# KiCad board st251_21020.kicad_pcb (continued)
## Routing (per net, layer and track width the routed paths; a pad name or vN(x,y) marks a point on that pad's centre or on a via; arc(x,y) is an arc through that point) (continued)
~{STEP}: length 117.4
  Top w0.254: v1(58.55,41.53) 56.26,41.53 54.74,40.01 48.39,40.01 v1(47.12,41.28) ; 2B1.33 34.54,34.54 35.18,33.91 v1(40.26,33.91)
  Bottom w0.254: J1.24 75.44,8.13 78.49,11.18 78.49,12.45 77.09,13.84 77.09,24.89 77.71,25.51 77.71,26.42 76.96,27.16 76.96,32.77 79.25,35.05 79.25,36.7 78.49,37.47 78.49,41.53 77.6,42.42 77.09,42.42 67.18,52.32 64.39,52.32 60.83,55.88 60.45,55.88 60.45,53.59 58.55,51.69 v1(58.55,41.53) ; v1(40.26,33.91) 41.27,32.89 44.96,32.89 47.12,35.05 v1(47.12,41.28)
~{WRT_FAULT}: length 61.1
  Top w0.254: v1(72.52,23.88) 73.03,23.88 74.42,22.48 1E1.4 ; 2B1.3 40,24.26 v1(41.02,23.24) 41.66,22.61 44.2,22.61 48.51,26.92 48.51,27.94 49.4,28.83 50.04,28.83 58.55,37.34 68.07,37.34 v1(68.45,36.96)
  Bottom w0.254: R19.1 74.8,19.18 72.52,21.46 v1(72.52,23.88) 72.52,31.62 68.45,35.69 v1(68.45,36.96)
Net-(1D1-Pad12): length 20
  Top w0.254: 1E1.5 73.15,21.39 72.26,20.51 72.26,20.32 ; 72.26,20.32 72.26,19.69 74.42,17.53 1E1.11 ; 72.26,20.32 71.25,20.32 70.36,19.43 65.53,19.43 64.9,20.07 63.37,20.07 v1(62.36,19.05) 62.48,19.05 63.75,17.78 1D1.12
Net-(1E1-Pad1): length 12.2
  Top w0.254: 78.23,20.32 77.85,20.32 75.69,18.16 1E1.12 ; 78.23,20.32 1E1.1 ; 78.23,20.32 79.88,20.32 v1(80.52,19.69)
  Bottom w0.254: R59.1 81.66,22.16 81.66,21.08 80.52,19.94 v1(80.52,19.69)
Net-(1E1-Pad6): length 190.5
  Top w0.254: 1E1.6 71.88,22.86 70.99,23.75 70.1,23.75 v1(70.1,23.88) ; v1(85.92,61.91) 85.72,61.72 85.72,49.02 83.19,46.48 69.34,46.48 66.55,43.69 v1(66.55,43.56) ; R78.2 83.31,163.26 83.31,156.46 88.39,151.38 88.39,148.72 89.53,147.57 89.53,146.3 89.28,146.05 87.76,146.05 87.5,146.3 v1(86.49,146.3)
  Bottom w0.254: v1(66.55,43.56) 66.17,43.18 66.17,40.51 66.68,40.01 66.68,36.07 66.93,35.81 66.93,34.29 66.55,33.91 66.55,28.83 67.44,27.94 68.45,27.94 70.1,26.29 v1(70.1,23.88) ; v1(86.49,146.3) 84.58,144.4 84.58,141.99 83.31,140.72 83.31,135 78.23,129.92 78.23,117.6 68.33,107.7 68.33,101.98 65.53,99.19 65.53,94.87 66.04,94.36 76.2,94.36 85.85,84.71 85.85,61.98 v1(85.92,61.91)
Net-(1F1A-D): length 144.1
  Top w0.254: 98.55,23.24 1F1.2 ; 98.55,23.24 98.55,23.75 97.54,24.77 95,24.77 93.47,23.24 93.47,21.89 ; 98.55,23.24 101.09,23.24 102.11,22.23 v1(103.76,22.23) ; v1(87,60.83) 87.5,60.83 88.39,59.94 88.39,52.83 v1(88.9,52.32) ; v1(87,92.33) 89.15,92.33 89.53,91.95 102.49,91.95 103.12,92.58 105.28,92.58 106.55,93.85 111.12,93.85 111.89,94.62 111.89,97.28 112.65,98.04 115.95,98.04 118.75,100.84 118.75,102.74 122.05,106.05 128.27,106.05 128.97,105.35 R74.2
  Bottom w0.254: v1(103.76,22.23) 97.92,28.07 97.92,43.31 v1(88.9,52.32) ; v1(87,60.83) v1(87,92.33)
Net-(1F1A-~{S}): length 12.4
  Top w0.254: 1F1.4 96.01,23.37 v1(95.63,23.75) ; R73.1 99.31,24.51 98.3,25.53 94.23,25.53 v1(93.47,24.77)
  Bottom w0.254: v1(93.47,24.77) 94.49,23.75 v1(95.63,23.75)
Net-(1F1B-C): length 98.7
  Top w0.254: v1(79.63,48.26) 79.38,48.51 68.71,48.51 64.13,43.94 54.74,43.94 v1(53.85,43.05) ; 1F1.11 96.01,17.4 v1(94.74,18.67)
  Bottom w0.254: v1(53.85,43.05) 53.85,42.29 52.83,41.28 52.83,25.91 50.93,24 50.93,19.56 J7.11 ; v1(79.63,48.26) 82.42,48.26 88.14,42.55 88.14,28.32 89.28,27.18 89.28,24 94.62,18.67 v1(94.74,18.67) 94.74,16.32 R70.1
Net-(1F1B-D): length 9.1
  Top w0.254: v1(97.03,18.67) 97.28,18.42 1F1.12
  Bottom w0.254: v1(97.03,18.67) 96.77,18.42 96.77,15.75 94.68,13.65 R71.1
Net-(1F1B-~{Q}): length 43.1
  Top w0.254: v1(86.61,41.4) 85.98,42.04 83.19,42.04 82.04,43.18 73.15,43.18 72.01,42.04 JP1.3 ; 1F1.8 v1(92.2,18.42)
  Bottom w0.254: v1(92.2,18.42) 92.2,18.54 88.77,21.97 88.77,26.04 87.5,27.31 87.5,40.51 v1(86.61,41.4)
Net-(1F1B-~{R}): length 35.1
  Top w0.254: v1(98.81,18.8) 98.55,18.54 1F1.13 ; v1(90.3,30.73) 89.53,29.97 77.41,29.97 75.82,28.38 2E1.12
  Bottom w0.254: v1(90.3,30.73) 90.3,24.77 93.47,21.59 96.01,21.59 v1(98.81,18.8)
Net-(1F1B-~{S}): length 37.8
  Top w0.254: 1F1.10 94.74,15.75 93.98,14.99 83.57,14.99 v1(83.31,15.24) ; 76.96,21.89 76.96,23.11 77.34,23.5 79.5,23.5 v1(80.39,24.38)
  Bottom w0.254: R58.1 82.62,30.54 83.06,30.1 83.06,25.4 82.04,24.38 ; v1(80.39,24.38) 82.04,24.38 ; 82.04,24.38 83.44,22.99 83.44,15.37 v1(83.31,15.24)
Net-(2B1-BIAS): length 5.2
  Top w0.254: 2B1.2 38.73,23.12 v1(38.73,23.11)
  Bottom w0.508: R45.2 39.31,22.54 v1(38.73,23.11)
Net-(2E1-Pad2): length 11.3
  Top w0.254: 2E1.2 77.09,34.54 v1(77.47,34.93)
  Top w0.508: 2E1.3 2E1.2
  Bottom w0.254: R12.1 75.25,29.14 76.45,30.35 76.45,33.91 v1(77.47,34.93)
Net-(2E1-Pad5): length 127.9
  Top w0.254: v1(61.72,53.34) 61.72,53.59 60.96,54.36 58.29,54.36 58.04,54.61 50.04,54.61 v1(49.15,55.5) ; v1(74.17,35.43) 73.28,34.54 2E1.5 ; v1(28.19,90.42) 32,94.23 42.04,94.23 47.12,99.31 v1(48.39,99.31)
  Bottom w0.254: v1(48.39,99.31) 47.37,98.3 47.37,87 49.15,85.22 v1(49.15,55.5) ; C5.1 24.32,103.89 R8.1 24.7,103.19 27.56,100.33 27.56,91.06 v1(28.19,90.42) ; v1(61.72,53.34) 61.72,52.32 64.9,49.15 67.82,49.15 74.17,42.8 v1(74.17,35.43)
Net-(2F1A-~{R}): length 7.9
  Top w0.254: v1(105.92,30.73) 105.92,32 104.27,32 103.95,31.69 R42.1 103.32,32 101.85,32 101.17,32.69 99.82,32.69
Net-(3A1-PB7): length 13.2
  Top w0.254: 3A1.34 v1(17.4,44.96)
  Bottom w0.254: v1(17.4,44.96) TP4.1
Net-(3A1-XTLI): length 8.9
  Top w0.254: Y2.1 29.75,54.01 29.08,53.34 3A1.3
Net-(3A1-XTLO): length 19.8
  Top w0.254: 3A1.2 27.3,52.07 v1(27.56,51.82) 31.35,51.82 Y2.2
  Bottom w0.254: Y2.2 34.04,49.02 32.51,47.5 32.51,45.28 C31.2 ; C31.2 33.46,43.81 R82.2 ; C31.2 33.4,44.39
Net-(3A1-~{NMI}): length 10.6
  Top w0.254: 3A1.25 11.05,48.26 v1(11.81,47.5)
  Bottom w0.254: R44.2 7.11,44.7 9.91,47.5 v1(11.81,47.5)
Net-(4A1-~{G}VPP): length 109.5
  Top w0.254: 25.65,85.34 27.56,83.44 27.56,81.53 28.07,81.03 31.5,81.03 34.04,83.57 46.74,83.57 v1(51.05,87.88) ; 2E1.8 69.98,27.69 68.71,28.96 v1(68.07,28.96) ; v1(67.06,41.91) 66.8,41.66 60.07,41.66 58.93,42.8 55.37,42.8 54.74,42.16 52.45,42.16 v1(51.56,43.05)
  Bottom w0.254: v1(67.06,41.91) 67.44,41.53 67.44,29.84 68.07,29.21 v1(68.07,28.96) ; v1(51.05,87.88) 51.56,87.38 v1(51.56,43.05)
Net-(4H1-12V): length 123.3
  Top w0.254: 116.84,109.09 C33.1 ; 116.84,109.09 116.84,110.87 115.44,112.27 115.06,112.27 114.74,112.59 C44.1 ; 116.84,109.09 116.84,108.97 115.95,108.08 115.95,104.52 v1(116.33,104.14) ; C44.1 115.06,113.86 115.06,128.14 119.63,132.72 120.27,132.72 120.84,132.14 CR5.1 ; C44.1 114.74,113.73 108.71,119.76 97.41,119.76 96.77,120.4 95.12,120.4 93.98,121.54 92.71,121.54 91.57,120.4 91.57,117.09 91.06,116.59 87.25,116.59 86.74,116.08 85.22,116.08 ; R54.2 85.22,115.12 85.22,116.08 ; 85.22,116.08 85.25,116.11 CR6.2 84.36,117.86 79.5,117.86 77.6,119.76 77.6,125.1 81.15,128.65 7F1.5
  Bottom w0.254: 117.22,93.85 117.22,103.25 v1(116.33,104.14) ; 117.22,93.85 4H1.4 ; 117.22,93.85 117.22,87.88 115.57,86.23 113.16,86.23
Net-(4H1-RC): length 15.2
  Top w0.254: 4H1.3 109.35,96.39 109.35,99.44 v1(109.98,100.08) 109.85,100.2 109.85,106 C18.1
  Bottom w0.254: v1(109.98,100.08) 109.98,102.25 C17.1
Net-(6A1A-VCTAP): length 83.9
  Top w0.254: v1(44.58,121.54) 43.94,120.9 41.15,120.9 40.51,120.27 35.94,120.27 32.13,116.46 v1(31.88,116.46) ; v1(25.53,118.87) 24.51,118.87 24.13,119.25 6A1.43
  Bottom w0.254: v1(44.58,121.54) 44.58,120.27 45.21,119.63 46.8,119.63 47.75,120.59 47.75,122.94 52.83,128.02 52.83,136.91 63.75,147.83 63.75,149.99 64.64,150.88 65.15,150.88 65.66,151.38 65.66,152.91 66.8,154.05 66.8,162.18 68.65,164.02 R9.1 ; v1(31.88,116.46) 31.5,116.84 28.32,116.84 27.05,118.11 26.29,118.11 v1(25.53,118.87)
Net-(6A1A-WDATA_IN+): length 136.4
  Top w0.254: 6.86,123.06 5.33,123.06 4.83,122.56 3.94,122.56 v1(3.05,123.44) ; v1(10.92,23.11) 8.38,25.65 v1(5.97,25.65) ; v1(11.43,10.41) 11.3,10.29 J2.13
  Bottom w0.254: v1(3.05,123.44) 1.14,121.54 1.14,102.11 R4.2 2.16,99.5 5.84,95.82 5.84,63.5 4.57,62.23 4.57,53.85 1.4,50.67 1.4,45.85 3.3,43.94 3.3,39.5 9.27,33.53 9.27,27.94 6.98,25.65 v1(5.97,25.65) ; v1(11.43,10.41) 11.43,13.46 10.92,13.97 v1(10.92,23.11)
Net-(6A1A-WDATA_IN-): length 140.1
  Top w0.254: v1(3.17,121.54) 3.43,121.79 6A1.23 ; v1(2.67,103.12) v1(5.33,103.12) ; v1(12.32,21.21) 11.18,21.21 8.76,23.62 v1(5.97,23.62)
  Bottom w0.254: v1(5.33,103.12) 5.33,101.34 R4.1 ; v1(5.97,23.62) 6.6,23.62 9.91,26.92 9.91,33.78 3.94,39.75 3.94,44.58 2.03,46.48 2.03,50.55 5.21,53.72 5.21,61.98 6.48,63.25 6.48,96.27 3.3,99.44 3.3,102.49 v1(2.67,103.12) 1.9,103.89 1.9,120.27 v1(3.17,121.54) ; J2.14 11.3,8.64 12.32,9.65 v1(12.32,21.21)
Net-(6A1A-WRITE_CUR): length 38
  Top w0.254: 6A1.16 9.78,131.06 11.68,132.97 v1(11.68,133.6)
  Bottom w0.254: 43.82,135.24 v1(43.82,134.24) 12.32,134.24 v1(11.68,133.6)
Net-(6A1A-~{WRT_FAULT}): length 14.7
  Top w0.254: v1(21.08,111.63) 21.21,111.76 6A1.39
  Bottom w0.254: R8.2 26.8,103.51 26.29,104.01 26.29,104.39 25.27,105.41 23.24,105.41 22.35,106.3 22.35,108.08 21.08,109.35 v1(21.08,111.63)
Net-(6A1B-+ON): length 7.3
  Top w0.254: 6A1.4 21.72,125.6 20.19,124.08 v1(18.8,124.08)
  Bottom w0.254: v1(18.8,124.08) 18.92,124.08 20.38,125.54 R25.1
Net-(6A1B--ON): length 10.8
  Top w0.254: 6A1.3 24,124.33 v1(25.65,125.98)
  Bottom w0.254: L8.1 23.29,121.21 24.89,122.81 24.89,125.22 v1(25.65,125.98)
Net-(6A1B-DI+): length 20.8
  Top w0.254: 6A1.1 23.49,121.79 24.77,123.06 25.02,123.06 25.91,122.17 30.73,122.17 32,123.44 TP1.1
  Bottom w0.254: C14.1 28.89,128.78 R24.1 30.29,127.38 31.45,127.38 L6.2 31.88,126.95 31.88,124.21 TP1.1
Net-(6A1B-DI-): length 18.4
  Top w0.254: TP3.1 26.54,123.7 24.38,123.7 23.75,123.06 22.86,123.06
  Bottom w0.254: L7.2 31.57,133.1 28.32,133.1 26.99,131.77 C14.2 26.99,130.62 26.1,129.73 R24.2 26.54,128.2 26.54,125.22 26.92,124.84 TP3.1
Net-(6A1B-DO+): length 27
  Top w0.254: 6A1.8 19.94,130.81 20.45,131.32 21.97,131.32 23.11,130.18 v1(23.11,129.79)
  Bottom w0.254: R26.2 6.92,131.51 9.46,128.97 C22.1 11.36,130.81 14.48,130.81 14.86,130.43 14.86,128.65 15.24,128.27 20.19,128.27 21.02,129.09 C21.1 22.86,129.54 v1(23.11,129.79)
Net-(6A1B-DO-): length 9.6
  Top w0.254: 6A1.9 v1(18.67,132.33)
  Bottom w0.254: R28.2 v1(18.67,132.33) R27.1 16.32,130.18 C24.1
Net-(6A1C-+C1): length 46.9
  Top w0.254: 6A1.10 17.4,127.38 17.91,126.87 v1(17.91,125.98)
  Bottom w0.254: 17.53,118.49 17.53,119.76 17.78,120.02 17.65,120.14 17.65,125.22 17.91,125.48 v1(17.91,125.98) ; 17.53,118.49 17.91,118.87 18.41,118.87 19.69,117.6 19.69,113.92 20.19,113.41 22.1,113.41 22.73,112.78 22.73,110.81 C23.1 ; 17.53,118.49 16.51,117.48 10.67,117.48 9.78,118.36 7.87,118.36 6.92,119.32 R87.1 6.92,120.21 6.35,120.78 6.35,125.29 R30.1 7.11,126.05 7.11,128.46 C22.2
Net-(6A1C-+C2): length 23.1
  Top w0.254: 6A1.12 14.86,126.75 16.13,125.48 16.13,123.7 v1(14.6,122.17)
  Bottom w0.254: C67.1 7.81,121.92 R87.2 ; 9.84,119.57 11.05,118.36 14.99,118.36 15.93,119.3 L10.1 15.93,121.74 15.49,122.17 v1(14.6,122.17)
Net-(6A1C--C1): length 24.7
  Top w0.254: v1(18.03,117.09) 18.03,120.9 16.76,122.17 16.76,127.38 16.13,128.02 6A1.11
  Bottom w0.254: v1(18.03,117.09) 18.54,117.09 19.05,116.59 19.05,113.54 20.19,112.4 20.19,110.17 C23.2 20.13,107.95 R29.1
Net-(6A1C--C2): length 15.1
  Top w0.254: v1(11.68,123.7) 13.84,123.7 v1(14.48,124.33) 13.59,125.22 6A1.13
  Bottom w0.254: v1(14.48,124.33) 14.6,124.33 15.81,125.54 R31.1 ; v1(11.68,123.7) 11.68,125.22 10.92,125.98 R30.2
Net-(6A1C-OA): length 12.4
  Top w0.254: 6A1.31 11.05,113.28 13.84,110.49 16.26,110.49 v1(17.4,111.63)
  Bottom w0.254: R34.1 17.4,114.75 v1(17.4,111.63)
Net-(6A1C-TMG1): length 11.1
  Top w0.254: v1(15.49,111.76) 16.13,112.4 6A1.35
  Bottom w0.254: v1(15.49,111.76) 14.73,111 14.73,108.01 C34.2 11.5,107.06 R51.1
Net-(6A1C-TMG2): length 23.1
  Top w0.254: 6A1.34 14.86,115.19 v1(15.49,115.82)
  Bottom w0.254: v1(15.49,115.82) 15.49,115.57 12.32,112.4 11.18,112.4 9.65,110.87 9.65,104.39 10.73,103.31 R53.1 10.73,102.97 12.42,104.65 C38.1
Net-(6A1C-TMG3): length 8.9
  Top w0.254: 6A1.33 13.59,112.65 13.97,112.27 v1(13.97,111.76)
  Bottom w0.254: R32.1 10.73,110.17 12.32,111.76 v1(13.97,111.76) 13.78,111.57 C25.2
Net-(6A1C-TMG4): length 27.4
  Top w0.254: 6A1.32 12.32,115.44 v1(13.34,116.46)
  Bottom w0.254: C26.2 13.15,101.98 10.61,99.44 10.61,100.39 9.02,101.98 9.02,111.51 10.92,113.41 12.06,113.41 13.34,114.68 v1(13.34,116.46)
Net-(6C1-Q4): length 26.5
  Top w0.254: 6C1.12 51.43,111.25 51.69,111.51 54.23,111.51 56.51,113.79 58.17,113.79 v1(59.82,112.14) ; 59.05,124.46 59.05,123.7 60.32,122.43 v1(60.83,122.43)
  Bottom w0.254: v1(59.82,112.14) 59.82,114.17 58.17,115.82 58.17,118.94 60.83,121.6 v1(60.83,122.43)
Net-(7E1-~{DIS}): length 20
  Top w0.254: 7E1.16 74.42,125.48 73.79,124.84 73.79,123.83 75.18,122.43 v1(75.18,121.41)
  Bottom w0.254: v1(75.18,121.41) 75.18,122.81 74.04,123.95 65.53,123.95 64.52,124.97 64.2,124.97 R40.2
Net-(7F1-CT): length 5.9
  Top w0.254: C43.1 80.13,122.81 v1(83.06,122.81) 82.93,122.94 7F1.8
Net-(7F1-DRV): length 30.5
  Top w0.254: 7F1.7 83.95,126.11 85.22,127.38 v1(85.22,128.65)
  Bottom w0.254: v1(85.22,128.65) 85.6,128.27 91.31,128.27 93.85,125.73 93.85,122.68 95.25,121.29 98.17,121.29 98.55,120.9 98.55,117.73 99.19,117.09 100.33,117.09 101.41,116.02 R66.1
Net-(7F1-VC): length 15.5
  Top w0.254: CR6.1 89.25,119.79 87.12,121.92 87.12,124.46 v1(86.49,125.1) 86.49,129.29 85.85,129.92 82.93,129.92
Net-(7F1-VREF): length 5.8
  Top w0.254: R41.2 94.55,126.11 7F1.10 91.86,126.11 90.59,124.84 v1(89.66,124.84)
Net-(8F1-+A): length 50.5
  Top w0.254: v1(112.52,146.43) 111,147.96 102.87,147.96 98.55,143.64 97.28,143.64 96.65,143 96.65,142.11 96.9,141.86 96.9,136.53 96.52,136.14 90.5,136.14 89.58,137.07 89.58,143.3 90.04,143.76 8F1.18
  Bottom w0.254: R14.1 119,140.72 118.24,140.72 v1(112.52,146.43)
Net-(8F1-+B): length 17.3
  Top w0.254: 8F1.17 93.85,142.49 96.27,144.91 97.79,144.91 102.87,149.99 103.57,149.99 R16.1 103.7,150.68
Net-(8F1-+C): length 22.2
  Top w0.254: R18.1 108.39,151.86 105.5,148.97 102.74,148.97 98.04,144.27 96.9,144.27 93.85,141.22 8F1.16
Net-(8F1-+D): length 4.2
  Top w0.254: 8F1.15 94.93,139.95 R36.1
Net-(8F1-+E): length 5
  Top w0.254: 8F1.14 94.62,138.68 95.06,138.24 R38.1
Net-(8F1--A): length 34.4
  Top w0.254: 8F1.23 92.07,150.11 93.47,151.51
  Bottom w0.254: v1(93.6,151.26) 96.9,151.26 97.41,150.75 97.41,148.72 98.55,147.57 101.47,147.57 102.36,148.46 111.12,148.46 112.14,147.45 113.41,147.45 116.97,143.89 119.31,143.89 R15.1
Net-(8F1--B): length 7.7
  Top w0.254: v1(89.66,148.97) 90.81,148.97 8F1.22
  Bottom w0.254: R17.1 94.11,149.73 93.34,148.97 v1(89.66,148.97)
Net-(8F1--C): length 5.6
  Top w0.254: 8F1.21 92.07,147.57 95.06,150.56 R20.1
Net-(8F1--D): length 22.7
  Top w0.254: R37.1 79.82,132.78 80.14,133.1 80.14,133.6 81.41,134.87 88.52,134.87 89.12,135.47 89.12,143.98 89.53,144.4 89.53,145.34 90.5,146.3 8F1.20
Net-(8F1--E): length 5.6
  Top w0.254: R39.1 92.39,145.03 8F1.19
Net-(8F1-COMP): length 48.7
  Top w0.254: v1(88.26,139.06) 84.58,139.06 83.69,139.95 8F1.10
  Bottom w0.254: v1(88.26,139.06) 86.11,139.06 85.85,138.81 85.85,133.22 89.92,129.16 91.69,129.16 94.62,126.24 94.62,123.44 95.88,122.17 97.98,122.17 98.62,122.81 100.2,122.81 101.22,121.79 107.95,121.79 108.08,121.67 108.08,119.76 109.6,118.24 C41.1
Net-(8F1-DAC_SET): length 10.3
  Top w0.254: v1(88.14,141.86) 83.44,141.86 82.8,142.49 8F1.8
  Bottom w0.254: v1(88.14,141.86) 88.14,140.84 88.77,140.21 90.04,140.21 R57.2
Net-(8F1-DRV): length 60.1
  Top w0.254: v1(87.12,140.46) 84.71,140.46 83.95,141.22 8F1.9
  Bottom w0.254: v1(87.12,140.46) 87.12,144.78 87.76,145.42 87.76,147.7 88.01,147.96 97.28,147.96 98.93,146.3 98.93,137.8 103,133.73 115.19,133.73 115.7,133.22 115.7,129.29 116.97,128.02 R79.2
Net-(8F1-FB): length 46.7
  Top w0.254: v1(87.12,137.8) 84.33,137.8 83.44,138.68 8F1.11
  Bottom w0.254: v1(87.12,137.8) 86.74,137.41 86.74,133.99 90.81,129.92 92.2,129.92 95.25,126.87 95.25,123.95 96.01,123.19 97.16,123.19 97.28,123.32 101.35,123.32 102.23,122.43 108.2,122.43 110.36,124.59 R60.2 110.68,125.16 109.73,126.11 108.2,126.11 107.12,127.19 R52.2
Net-(8F1-NC): length 29
  Top w0.254: v1(79.5,136.78) 79.5,145.67 80.14,146.3 8F1.5
  Bottom w0.254: v1(79.5,136.78) 78.87,136.78 75.69,133.6 75.69,127.89 73.79,125.98 69.79,125.98 69.66,125.86
Net-(8F1-RING_SET): length 31.5
  Top w0.254: 8F1.12 81.63,136.55 82.04,136.14 v1(87.76,136.14)
  Bottom w0.254: v1(87.76,136.14) 89.41,136.14 91.82,138.56 91.82,141.26 93.28,142.72 R56.1 93.28,142.81 94.74,141.35 94.74,136.21 R55.1 93.92,134.55 95.84,132.64 95.84,131.57
Net-(8F1-VREF): length 38.9
  Top w0.254: R41.1 99.13,124.46 v1(99.31,124.46) ; v1(88.14,143.51) 87,143.51 85.98,142.49 84.84,142.49 83.57,143.76 8F1.7
  Bottom w0.254: v1(88.14,143.51) R56.2 90.49,143.64 91.12,143.64 92.52,145.03 94.11,145.03 95.38,143.76 95.38,136.14 97.28,134.24 97.28,126.49 v1(99.31,124.46)
Net-(10E1-5V): length 12.6
  Top w0.508: 10E1.18 76.84,163.19 v1(77.09,162.94)
  Bottom w0.508: v1(77.09,162.94) 75.95,164.08 75.95,164.54 C1.1
  Bottom w0.762: L11.1 79.83,168.19 77,165.35 76.15,165.35 C1.1
Net-(10E1-IWR1): length 5.4
  Top w0.254: 10E1.19 71.88,164.47 70.36,162.94 v1(70.36,162.81)
  Bottom w0.254: R2.1 69.03,162.18 69.22,162.18 69.85,162.81 v1(70.36,162.81)
Net-(10E1-IWR2): length 7.1
  Top w0.254: v1(76.45,160.91) 76.45,160.78 73.79,158.12 10E1.14
  Bottom w0.254: v1(76.45,160.91) 76.33,160.78 R1.1
Net-(10E1-VCTAP): length 8.4
  Top w0.254: 10E1.1 63.42,167.85 v1(63.37,167.89)
  Bottom w0.254: R9.2 65.53,165.67 65.53,168.34 C3.2 64.13,168.66 v1(63.37,167.89)
Net-(10E1-VHS): length 85.6
  Top w0.254: v1(32,114.05) 32,114.55 37.08,119.63 41.27,119.63 41.91,120.27 45.72,120.27 v1(46.48,121.03) ; 10E1.20 70.99,165.74 69.34,164.08 69.34,160.02 68.45,159.13 68.45,156.85 64.52,152.91 v1(64.52,152.02) ; 22.86,117.98 24.38,117.98 v1(24.89,117.48)
  Bottom w0.254: v1(64.52,152.02) 63.25,150.75 63.25,148.34 52.2,137.29 52.2,128.27 46.48,122.56 v1(46.48,121.03) ; v1(32,114.05) 32,114.94 30.73,116.21 28.19,116.21 26.92,117.48 v1(24.89,117.48)
Net-(10E1-WRT_FAULT_IN): length 194.9
  Top w0.254: JP1.2 75.42,42.42 81.34,42.42 82.87,40.89 v1(83.95,40.89) ; 1E1.3 75.69,22.86 v1(74.55,24) ; 10E1.12 72.01,155.58 71.37,154.93 71.37,153.68 71.88,153.16 v1(71.88,151.13)
  Bottom w0.254: JP1.2 70.75,39 69.85,38.1 69.85,35.37 73.66,31.56 73.66,26.42 74.55,25.53 v1(74.55,24) ; v1(83.95,40.89) 83.95,42.55 71.88,54.61 71.88,56.64 72.77,57.53 75.82,57.53 82.17,63.88 82.17,82.55 73.66,91.06 63.37,91.06 61.34,89.03 57.28,89.03 56.64,89.66 56.64,98.55 55.75,99.44 55.75,105.28 52.96,108.08 52.96,119.38 53.98,120.4 53.98,123.44 56.64,126.11 56.64,134.37 62.99,140.72 63.75,140.72 71.88,148.84 v1(71.88,151.13)
Net-(11E1-12V): length 12.4
  Top w0.508: 11E1.12 74.29,170.43 v1(75.06,171.2)
  Bottom w0.508: 77.15,171.58 77.15,171.58 R1B1.2 ; 77.15,171.58 C8.1 ; 77.15,171.58 77.15,174.33 C9.1
  Bottom w0.762: 77.15,171.58 76.77,171.2 v1(75.06,171.2)
Net-(11E1-DI+): length 109.5
  Top w0.254: 11E1.8 61.85,171.7 v1(61.09,172.47) ; 6A1.19 5.46,126.87 4.7,127.64 TP6.1
  Bottom w0.254: R21.1 63.12,174.62 C10.1 63.37,173.23 63.37,173.23 62.61,172.47 v1(61.09,172.47) 59.82,172.47 59.44,172.09 59.44,166.5 60.83,165.1 60.83,155.58 59.31,154.05 59.31,150.62 46.74,138.05 44.45,138.05 44.32,138.18 43.62,138.18 40.32,134.87 6.98,134.87 4.7,132.59 TP6.1
Net-(11E1-DI-): length 117.6
  Top w0.254: 11E1.7 62.23,172.97 59.18,176.02 v1(59.18,177.55) ; TP5.1 4.45,125.6 6A1.20
  Bottom w0.254: TP5.1 1.4,128.65 1.4,130.56 6.35,135.51 40.13,135.51 43.31,138.68 46.23,138.68 58.55,151 58.55,154.43 60.2,156.08 60.2,164.72 58.93,165.99 58.93,173.1 59.18,173.36 59.18,174.37 ; 59.18,174.37 v1(59.18,177.55) 59.18,178.44 59.82,179.07 59.82,182.88 R21.2 ; 59.18,174.37 C10.2
Net-(11E1-DO+): length 46.7
  Top w0.254: 11E1.10 62.74,169.16 v1(61.47,167.89)
  Bottom w0.254: v1(61.47,167.89) 62.74,166.62 62.74,154.43 61.47,153.16 61.47,149.23 50.29,138.05 50.29,132.08 49.15,130.94 C11.1
Net-(11E1-DO-): length 43
  Top w0.254: v1(61.09,169.93) 61.6,170.43 11E1.9
  Bottom w0.254: 48.85,135.89 48.85,137.62 60.83,149.61 60.83,153.92 62.1,155.19 62.1,165.61 60.45,167.26 60.45,169.29 v1(61.09,169.93)
Net-(11E1-GAIN+): length 6.8
  Top w0.254: 11E1.6 62.48,174.24 61.21,175.51 61.21,176.02 v1(61.09,176.15)
  Bottom w0.254: v1(61.09,176.15) 61.26,176.33 C7.1
Net-(11E1-GAIN-): length 5.5
  Top w0.254: v1(65.15,176.78) 65.15,176.4 64.26,175.51 11E1.5
  Bottom w0.508: C7.2 64.21,177.72 v1(65.15,176.78)
Net-(11E1-HD1+): length 25.4
  Top w0.254: J6.4 90.3,184.53 90.3,182.44 88.46,180.59 83.95,180.59 82.68,179.32 80.14,179.32 73.79,172.97 11E1.14
Net-(11E1-HD1-): length 28.7
  Top w0.254: J6.2 94.11,185.55 92.84,184.28 92.84,181.99 90.81,179.96 84.58,179.96 83.19,178.56 80.77,178.56 73.91,171.7 11E1.13
Net-(11E1-HD2+): length 19.1
  Top w0.254: 11E1.16 74.04,175.51 79.12,180.59 81.91,180.59 83.19,181.86 84.46,181.86 85.22,182.63 85.22,184.53 J6.8
Net-(11E1-HD2-): length 22.2
  Top w0.254: J6.6 89.03,185.29 87.76,184.02 87.76,182.63 86.36,181.23 83.57,181.23 82.3,179.96 79.5,179.96 73.79,174.24 11E1.15
Net-(11E1-HD3+): length 13.1
  Top w0.254: 11E1.18 74.42,178.05 78.23,181.86 79.5,181.86 80.14,182.5 80.14,184.53 J6.12
Net-(11E1-HD3-): length 16.2
  Top w0.254: J6.10 83.95,185.29 82.68,184.02 82.68,182.37 81.53,181.23 78.87,181.23 74.42,176.78 11E1.17
Net-(11E1-HD4+): length 7.3
  Top w0.254: J6.16 75.06,184.53 75.06,181.86 73.79,180.59 11E1.20
Net-(11E1-HD4-): length 10.2
  Top w0.254: 11E1.19 73.91,179.32 75.82,181.23 76.58,181.23 77.6,182.25 77.6,183.9 78.23,184.53 78.23,185.17 J6.14
Net-(11E1-HD6+): length 6.3
  Top w0.254: 11E1.1 64.9,182.07 64.9,184.53 J6.24
Net-(11E1-HD6-): length 9.2
  Top w0.254: 11E1.2 64.26,179.32 67.44,182.5 67.44,183.9 68.71,185.17 J6.22
Net-(C6-Pad1): length 10.1
  Top w0.254: R78.1 83.44,167.39 85.66,169.61 C6.1 85.66,171.9 85.6,171.96 v1(85.6,172.59)
  Bottom w0.254: R11.2 85.72,170.24 85.72,172.47 ; 85.72,172.47 85.79,172.47 ; 85.72,172.47 v1(85.6,172.59)
Net-(C11-Pad2): length 4.1
  Bottom w0.762: 45.9,131.83 46.1,131.62 46.1,128.08 R22.2
Net-(C12-Pad2): length 8.3
  Bottom w0.254: 45.9,135.89 45.9,134.29 44.58,132.97 42.23,132.97 R23.2
  Bottom w0.508: R23.2 41.98,131 42.29,130.68
Net-(C13-Pad1): length 6.2
  Bottom w0.254: C13.1 34.8,129.09 34.8,127.18 L6.1
  Bottom w0.762: L6.1 35.61,126.37 37.41,126.37 L4.2
Net-(C13-Pad2): length 8.9
  Bottom w0.254: L7.1 34.98,132.77 32.2,129.99 C13.2
  Bottom w0.762: L5.2 37.67,129.76 34.98,132.45 L7.1
Net-(C17-Pad2): length 5.3
  Bottom w0.254: C17.2 113.79,102.98 113.79,107.13 R49.2
Net-(C20-Pad1): length 3.5
  Bottom w0.254: C20.1 22.48,122.94 23.31,123.76 R25.2
Net-(C20-Pad2): length 5
  Bottom w0.254: L8.2 20.14,120.07 18.92,121.29 18.92,122.17 19.69,122.94 C20.2
Net-(C21-Pad2): length 5.8
  Bottom w0.254: 19.12,129.54 20.39,130.81 22.48,130.81 23.43,131.76 R28.1
Net-(C24-Pad2): length 41.8
  Top w0.254: v1(12.7,122.17) 12.7,121.16 18.03,115.82 19.18,115.82 20.57,117.22 v1(20.57,117.48)
  Bottom w0.254: v1(12.7,122.17) 12.7,126.18 R31.2 13.21,126.68 13.21,128.97 C24.2 ; v1(12.7,122.17) 12.7,120.4 12.78,120.32 L10.2 ; v1(12.7,122.17) 12.45,122.43 C67.2 ; v1(20.57,117.48) 22.35,117.48 24.89,114.94 27.69,114.94 27.94,114.68 27.94,109.86 29.64,108.15 29.64,107.57
Net-(C27-Pad1): length 35.2
  Top w0.508: C27.1 112.52,124.46 v1(112.52,128.65)
  Bottom w0.254: R69.1 103.12,119.63 104.65,121.16 107.31,121.16 107.44,121.03 107.44,118.11 108.97,116.59 113.16,116.59 114.43,117.86 114.43,125.35 112.52,127.25 v1(112.52,128.65)
Net-(C39-Pad2): length 39.9
  Top w0.254: C39.2 93.47,104.78 94.11,104.14 94.11,101.35 94.74,100.71 v1(94.74,99.95)
  Bottom w0.254: v1(94.74,99.95) 94.74,98.04 97.54,95.25 97.54,92.71 103,87.25 103,73.28 103.57,72.71 R43.2
Net-(C41-Pad2): length 3.9
  Bottom w0.254: C41.2 111.82,119.13 109.66,121.29
Net-(C59-Pad2): length 6.4
  Top w0.508: C59.2 104.71,54.8 103,56.52 v1(103,56.77)
  Bottom w0.508: v1(103,56.77) 103.57,57.34 R47.2
Net-(C63-Pad2): length 4.6
  Top w0.508: C63.2 122.55,154.16 122.55,155.76 R72.2
Net-(C69-Pad2): length 17.9
  Top w0.508: v1(104.39,67.56) 104.01,67.18 104.01,58.67 104.78,57.91 108.71,57.91 C69.2
  Bottom w0.508: R48.2 103.57,66.74 v1(104.39,67.56)
Net-(CR2-A): length 20.7
  Top w0.254: C51.1 86.49,18.03 85.34,16.89 82.3,16.89 CR2.2 80.65,17.65 80.01,18.29 77.36,18.29 76.96,17.89 76.96,15.62 76.2,14.86 73.41,14.86 v1(72.9,14.35)
  Bottom w0.254: v1(72.9,14.35) 73.41,14.86 75.37,14.86 R64.1 ; 75.44,15.62 75.5,15.62
Net-(D1-K): length 6.9
  Top w0.508: D1.3 93.49,117.84 v1(92.84,118.49)
  Bottom w0.254: R69.2 96.84,119.13 93.47,119.13 v1(92.84,118.49)
Net-(DS1-K): length 48.9
  Bottom w0.254: DS1.1 111.12,187.71 113.16,189.74 113.16,190.88 112.78,191.26 111.82,191.26 110.17,189.61 109.09,189.61 107.19,187.71 106.04,187.71 105.54,188.21 105.54,189.87 104.52,190.88 101.09,190.88 97.92,187.71 97.92,175.64 93.6,171.32 90.3,171.32 89.15,170.18 88.71,170.18 R11.1
Net-(J3-Pin_4): length 7.2
  Bottom w2.286: 116.84,5.33 116.84,12.18 L1.1
Net-(J5-Pin_1): length 20.1
  Bottom w0.254: R68.2 124.08,192.15 121.79,189.87 121.79,179.45 121.03,178.69 121.03,176.89 119.76,175.62 J5.1
Net-(J5-Pin_3): length 14.7
  Bottom w0.254: R68B1.2 124.97,187.07 122.81,184.91 122.81,180.21 123.57,179.45 123.57,176.91 122.3,175.64 J5.3
Net-(J5-Pin_5): length 36.8
  Bottom w0.254: R67.2 115.7,193.42 116.71,194.44 127.38,194.44 127.76,194.06 127.76,185.17 127.13,184.53 125.22,184.53 124.46,183.77 124.46,180.09 126.11,178.44 126.11,176.57 124.84,175.3 J5.5
Net-(J5-Pin_7): length 21.1
  Top w0.254: J5.7 126.11,176.15 119,176.15 114.43,180.72 v1(112.39,180.72)
  Bottom w0.254: R81.2 109.98,182.63 111.89,180.72 v1(112.39,180.72)
Net-(J5-Pin_9): length 13.5
  Top w0.254: J5.9 131.19,176.15 131.19,178.56 128.27,181.48 v1(128.27,183.52)
  Bottom w0.254: v1(128.27,183.52) 127.38,182.63 126.62,182.63 R67B1.2
Net-(J6-Pin_18): length 15.3
  Top w0.254: J6.18 73.79,185.17 72.52,183.9 72.52,182.5 67.69,177.67 64.77,177.67 63.88,176.78 11E1.4
Net-(J6-Pin_20): length 12.6
  Top w0.254: J6.20 69.98,184.53 69.98,181.86 66.8,178.69 64.77,178.69 64.13,178.05 11E1.3
Net-(J7-Pin_1): length 44.4
  Top w0.254: J7.7 44.58,18.29 55.63,18.29 57.28,16.64 57.28,15.75 58.29,14.73 64.39,14.73 65.02,15.37 1D1.13 65.02,18.16 v1(64.39,18.8)
  Top w0.762: J7.1 J7.7
  Bottom w0.254: R7.1 60.51,16.7 61.72,17.91 63.5,17.91 v1(64.39,18.8) 63.37,19.81 63.37,21.4 R6.2
Net-(JP2-B): length 9.9
  Top w0.254: 2E1.4 74.55,33.66 v1(75.82,34.93)
  Bottom w0.254: JP2.2 75.82,36.96 v1(75.82,34.93) 75.18,34.29 R5.1
Net-(L4-Pad1): length 4.3
  Bottom w0.762: R22.1 43.37,126.17 43.31,126.11 L4.1
Net-(L5-Pad1): length 4.2
  Bottom w0.762: R23.1 39.05,131.64 40.82,129.87 L5.1
Net-(L9-Pad1): length 10.7
  Bottom w0.254: L9.1 26.49,108.53 26.8,108.84 26.8,111.51 24.89,111.51 24.26,110.87 24.26,107.88 R29.2
Net-(Q1-B): length 22.9
  Top w0.254: v1(128.4,130.56) 129.22,131.38 129.22,134.73
  Bottom w0.254: R61.2 129.67,126.37 129.67,129.29 v1(128.4,130.56) 128.4,131.19 127.13,132.46 124.21,132.46 122.05,130.3 122.05,128.52 121.86,128.34 R79.1
Net-(Q1-C): length 20.3
  Top w0.254: Q1.3 128.27,132.59 127,131.32 127,129.67 127.63,129.03 128.52,129.03 130.43,130.94 v1(130.56,130.94) 130.56,135.89 128.65,137.8 Q2.1
  Bottom w0.254: R62.1 131.51,129.98 v1(130.56,130.94)
Net-(Q3-G): length 26.9
  Top w0.254: Q3.1 106.81,98.43 106.81,103.87 Q4.1 106.81,106.43 106.81,107.06 106.8,107.07 Q5.1
  Bottom w0.254: Q5.1 105.29,112.9 104.33,113.85 R66.2 104.33,115.51 106.17,117.35 106.17,119.63
Net-(Q6-B): length 2.2
  Top w0.254: Q6.1 131.68,104.73 R74.1
Net-(Q6-E): length 4
  Top w0.254: R75.2 129.09,109.92 130.5,108.52 Q6.2
Net-(TP8-A): length 72.8
  Bottom w0.254: R3.1 R2.2 65.59,162.37 66.8,163.58 66.8,167.26 ; 66.8,167.26 69.22,167.26 69.98,166.5 69.98,164.85 71.25,163.58 71.25,160.97 R1.2 ; 66.8,167.26 66.8,169.29 64.9,171.2 60.45,171.2 59.94,170.69 59.94,166.88 61.47,165.35 61.47,155.32 59.94,153.8 59.94,150.11 47.37,137.54 44.58,137.54 44.2,137.16 v1(43.82,137.16) 43.82,136.54

## Copper pours and planes (outline as drawn; the poured copper is in the pictures)
+5V on Top: 46.35,100.46 50.55,100.46 52.58,102.49 56.01,102.49 57.15,103.63 63.63,103.63 64.01,104.01 64.01,106.17 63.63,106.55 63.12,106.55 62.74,106.17 62.74,104.78 61.85,104.78 61.85,110.87 61.09,110.87 61.09,104.78 56.01,104.78 55.63,104.39 46.35,104.39
+5V on Top: 120.14,21.34 123.19,21.34 130.56,13.97 132.08,13.97 132.08,15.75 124.08,23.75 123.19,23.75 122.05,24.89 120.65,24.89 120.14,24.38
+5V on Bottom: 22.73,98.81 25.02,98.81 25.91,97.92 25.91,94.74 25.78,94.62 17.02,94.62 14.22,97.41 14.22,98.55 16.51,96.27 22.73,96.27
+5V on Bottom: 25.27,14.35 25.27,24.89 25.91,24.89 27.18,23.62 27.81,23.62 29.72,21.72 29.72,14.35
+5V on Bottom: 78.23,56.39 78.23,55.25 83.82,55.25 84.33,54.74 86.23,54.74 87.63,53.34 89.92,53.34 98.55,44.7 98.55,35.94 100.84,35.94 100.84,46.36 91.31,55.75 88.65,55.75 87.25,57.15 84.84,57.15 84.84,60.83 83.82,60.83 83.82,57.02 78.87,57.02
+5V on Bottom: 122.68,24.77 122.68,22.61 107.19,22.61 104.9,20.32 104.9,16.89 104.27,16.26 103,16.26 102.36,16.89 102.36,20.96 104.14,20.96 104.9,21.72 104.9,22.86 102.36,25.4 102.36,26.42 101.09,27.69 101.09,28.58 100.46,29.21 98.55,29.21 98.55,35.94 100.84,35.94 102.11,34.67 102.11,33.02 110.36,24.77
+12V on Top: 87.5,104.78 89.28,104.78 89.28,97.79 89.03,97.54 87.76,97.54 87.38,97.92 87.38,104.65
+12V on Top: 123.95,26.92 123.95,25.15 129.03,20.07 132.21,20.07 132.21,22.48 129.67,22.48 129.41,22.73 129.41,25.65 125.86,25.65 124.59,26.92
+12V on Top: 35.69,89.79 44.32,89.79 51.94,97.41 59.82,97.41 61.09,98.68 69.98,98.68 69.98,96.65 62.74,96.65 60.96,94.87 52.83,94.87 44.96,87 34.93,87 34.93,89.03
+12V on Top: 125.6,149.61 125.86,149.61 126.36,149.1 126.36,145.29 125.6,144.65 125.48,144.53 125.48,137.41 127.76,135.13 127.76,133.99 126.87,133.99 125.35,135.64 118.24,135.64 114.43,131.83 113.79,131.83 113.54,132.08 113.54,132.72 117.86,137.03 117.86,144.4 119,145.54 124.59,145.54 125.09,146.05 125.09,149.1
+12V on Top: 83.69,110.49 83.69,111.12 82.68,112.14 79.12,112.14 79.12,111.76 80.39,110.49
+12V on Bottom: 70.1,97.03 69.22,97.03 69.22,98.3 70.1,98.3 70.87,98.93 83.95,98.93 84.46,99.44 85.72,99.44 85.72,97.16 84.46,97.16 83.82,96.52 70.87,96.52
GND on Top: 19.3,10.54 19.3,11.81 20.32,12.83 28.32,12.83 32,16.51 32,18.16 32.26,18.42 43.69,18.42 43.94,18.67 45.85,18.67 50.16,22.99 54.1,22.99 55.63,21.46 58.8,21.46 58.8,22.23 57.66,22.23 56.51,22.99 55.24,24.26 49.66,24.26 45.47,20.07 33.91,20.07 33.66,19.81 23.62,19.81 19.94,23.5 19.94,24.77 20.19,25.02 21.97,25.02 25.78,21.21 30.73,21.21 30.73,22.73 34.8,22.73 34.8,23.5 30.23,23.5 29.84,23.88 27.81,23.88 26.29,25.4 26.29,29.59 26.03,29.84 24.38,29.84 23.11,31.12 14.22,31.12 3.43,41.91 3.43,48.51 4.06,48.51 5.33,49.78 5.33,52.45 4.7,53.09 4.7,54.48 4.06,54.48 4.06,54.1 1.65,51.69 1.65,28.83 2.54,27.94 2.54,9.14 5.59,9.14 5.71,9.27 5.71,9.65 18.41,9.65
GND on Top: 12.45,76.45 13.84,76.45 14.22,76.84 14.22,77.72 14.48,77.98 15.88,77.98 16.64,78.74 24,78.74 24,85.09 23.75,85.34 22.86,85.34 22.1,86.11 22.1,87.76 21.59,88.27 20.32,88.27 19.56,89.03 19.56,90.81 20.95,92.2 20.95,93.98 21.21,94.23 21.21,98.81 24,101.6 33.66,101.6 33.91,101.85 33.91,104.78 37.34,108.2 38.35,108.2 38.99,108.84 38.99,109.47 39.24,109.73 41.02,109.73 41.78,108.97 49.15,108.97 49.15,110.87 47.24,110.87 46.86,111.25 46.86,113.92 46.23,113.92 46.23,112.01 45.72,111.51 42.8,111.51 41.4,110.11 38.23,110.11 37.59,109.47 36.45,109.47 32.38,105.41 27.56,105.41 25.02,102.87 16,102.87 14.86,101.73 14.86,94.36 15.62,93.6 15.62,84.84 14.86,84.07 12.7,84.07 12.19,83.57 12.19,76.71
GND on Top: 9.4,115.57 11.43,115.57 12.32,116.46 12.32,117.35 14.6,117.35 14.6,118.36 12.45,120.52 11.81,120.52 10.8,121.54 10.8,124.97 12.95,124.97 12.95,128.14 11.81,128.14 11.68,128.02 11.68,127.13 10.16,125.6 10.16,118.36 10.67,117.86 10.67,116.71 10.03,116.08 9.4,116.08
GND on Top: 105.03,122.56 107.95,122.56 107.95,120.4 98.04,120.4 97.54,120.9 96.01,120.9 94.74,122.17 91.95,122.17 91.06,121.29 88.52,121.29 87.76,122.05 87.76,124.59 87.38,124.97 87.25,125.48 87.12,125.86 87.12,130.05 87.63,130.56 88.77,130.56 90.68,132.46 91.19,132.46 91.19,130.3 95.12,130.3 95.88,129.54 104.39,129.54 105.16,128.78 105.16,128.27 103.89,128.27 103.25,128.91 96.27,128.91 96.01,128.65 95.63,128.65 94.74,129.54 91.19,129.54 91.19,128.65 89.92,128.65 89.28,128.02 89.28,125.98 88.77,125.48 88.77,124.97 89.15,124.59 89.15,122.17 89.53,121.79 90.55,121.79 92.07,123.32 93.73,123.32 95,124.59 97.79,124.59 97.79,121.41 98.3,120.9 100.2,120.9 100.2,121.79 103.89,121.79 103.89,128.4 105.03,128.4
GND on Top: 4.7,54.48 4.06,54.48 4.06,63.12 5.97,65.02 5.97,86.61 4.19,88.39 4.19,98.04 2.92,99.31 1.4,99.31 0.89,99.82 0.89,132.33 2.16,132.33 4.45,134.62 4.45,135.38 20.95,135.38 20.95,133.6 17.65,133.6 17.4,133.35 17.4,131.83 16.89,131.32 13.34,131.32 13.08,131.57 13.08,134.11 12.32,134.87 11.05,134.87 10.29,134.11 10.29,132.59 9.27,131.57 5.97,131.57 5.21,132.33 4.19,132.33 3.43,131.57 3.43,127.76 2.16,126.49 2.16,117.35 3.68,115.82 7.24,115.82 7.24,113.79 5.97,112.52 5.97,110.74 4.19,109.35 4.19,105.16 4.45,104.9 7.49,104.9 8.25,104.14 8.25,83.82 6.6,82.17 6.6,63.12 4.7,61.21
GND on Top: 93.34,166.62 93.34,154.69 95.88,154.69 95.88,157.1 95.12,157.86 95.12,159.77 95.63,159.77 95.63,159.39 97.16,157.86 97.16,152.65 90.93,152.65 90.93,154.69 92.46,154.69 92.46,159.77 92.2,160.02 90.55,160.02 90.55,165.35 92.07,165.35 92.84,166.12 92.84,166.62
GND on Top: 71.25,147.83 71.25,148.97 72.14,149.86 72.52,149.86 73.15,150.5 73.15,152.4 73.91,153.16 74.68,153.16 74.68,156.59 76.2,156.59 76.2,157.99 77.6,157.99 77.6,160.02 78.1,160.53 78.1,163.83 77.34,164.59 74.93,164.59 74.42,164.72 74.42,168.91 71.25,168.91 70.36,169.8 70.36,171.96 70.87,172.47 70.99,172.47 71.12,172.59 71.12,177.55 70.87,177.8 70.1,177.8 69.6,177.29 69.6,176.78 67.82,175.01 65.02,175.01 65.02,175.64 65.28,175.9 66.04,175.9 66.93,176.78 67.82,176.78 70.99,179.96 71.75,179.96 71.75,176.15 71.5,175.9 71.5,172.21 70.99,171.7 70.99,169.93 71.37,169.55 75.95,169.55 76.71,170.31 76.71,173.36 81.03,177.67 83.31,177.67 84.71,179.07 91.57,179.07 94.49,181.99 95.38,181.99 95.38,186.94 65.53,186.94 65.02,186.44 65.02,185.17 64.39,184.53 64.26,184.53 64.26,183.01 64.01,182.75 62.87,182.75 61.72,181.61 61.72,179.32 61.09,178.69 59.18,178.69 58.29,177.8 58.29,176.28 60.2,174.37 60.2,167.64 61.34,166.5 61.34,163.19 59.44,163.19 59.27,163.96 56.01,189.99 58.67,189.99 61.98,193.29 61.98,198.12 97.16,198.12 97.16,186.82 96.01,185.67 96.01,181.23 90.68,175.9 90.68,170.94 89.41,169.67 88.52,169.67 88.39,169.8 87.38,169.8 87.38,171.58 86.74,171.58 86.74,172.97 86.11,173.61 85.09,173.61 84.58,173.1 84.58,168.66 82.17,168.66 82.17,167.51 79.88,167.51 79.88,153.04 77.72,150.88 77.6,150.88 77.6,148.72 77.09,148.21 76.45,148.21 76.33,148.08 76.33,146.56 72.14,146.56 72.14,146.94
GND on Top: 33.53,113.28 35.56,113.28 35.69,113.41 35.69,114.17 38.61,117.09 40.64,117.09 42.54,119 47.75,119 48.01,119.25 50.16,119.25 50.16,120.02 48.77,120.02 48.13,120.65 48.13,122.94 47.88,123.19 45.97,123.19 45.97,125.35 49.4,125.35 49.4,127.13 50.55,127.13 52.32,128.91 53.47,128.91 53.47,130.18 51.31,132.33 50.55,132.33 50.55,134.87 51.18,135.51 57.02,135.51 57.02,138.3 59.05,140.34 66.04,140.34 66.04,140.97 60.32,140.97 60.32,141.99 56.77,141.99 49.78,135 49.78,132.46 49.15,132.46 49.15,131.32 50.93,129.54 50.93,128.65 50.16,127.89 47.5,127.89 47.5,130.43 46.48,130.43 45.59,129.54 45.59,127.25 43.69,125.35 43.69,124.08 45.97,121.79 47.24,121.79 47.5,121.54 47.5,120.14 47.62,120.02 47.62,119.89 47.37,119.63 42.04,119.63 41.4,119 36.96,119 33.27,115.32 33.27,113.54
GND on Top: 10.16,112.52 11.05,112.52 12.19,109.98 17.4,109.98 17.91,110.49 21.97,110.49 22.86,111.38 22.86,114.55 24,114.55 24,113.79 23.75,113.79 23.49,113.54 23.49,111.12 22.35,109.98 18.29,109.98 17.65,109.35 12.19,109.35 10.16,111.51
GND on Top: 20.95,135.38 33.27,135.38 36.83,136.14 39.37,136.91 42.16,137.92 44.83,139.45 48.13,141.61 50.93,144.27 54.1,147.96 55.37,150.37 57.15,154.18 58.66,159.39 59.44,163.19 61.34,163.19 61.34,149.1 66.04,149.1 66.04,152.65 66.68,152.65 66.68,149.1 67.18,149.1 68.45,147.83 71.37,147.83 71.37,147.7 72.14,146.94 72.14,146.56 71.25,145.67 71.25,124.33 70.99,124.08 70.99,122.17 71.25,121.92 72.39,121.92 72.77,122.3 72.77,123.19 72.52,123.44 72.52,126.11 73.41,127 75.69,127 75.69,126.37 74.17,126.37 73.15,125.35 73.15,123.57 74.17,122.56 74.17,118.11 74.68,117.6 74.68,112.78 75.56,111.89 76.96,111.89 77.34,112.27 77.34,113.54 77.85,114.05 78.23,114.05 78.23,116.84 82.8,116.84 83.06,116.59 83.95,116.59 83.95,112.78 78.87,112.78 78.23,112.14 78.23,110.87 78.99,110.11 78.99,109.35 80.77,109.35 81.41,108.71 81.41,99.31 81.91,98.81 83.31,98.81 84.07,99.57 84.07,103 85.09,104.01 85.72,104.01 85.72,94.49 90.04,94.49 90.04,105.16 89.41,105.79 89.41,107.95 87.88,107.95 87.88,110.74 89.15,110.74 89.28,110.62 89.28,111.51 89.03,111.76 88.01,111.76 88.01,112.4 89.03,112.4 89.03,113.16 91.19,113.16 91.19,110.49 100.71,110.49 100.71,116.97 106.68,116.97 107.57,116.08 107.57,114.68 105.16,114.68 105.16,111.63 105.92,110.87 105.92,107.32 104.01,107.32 103.89,107.19 103.89,103.63 105.79,103.63 105.79,98.93 104.14,98.93 104.14,95.76 104.78,95.76 104.78,93.85 102.11,93.85 102.11,100.46 101.6,100.97 100.97,100.97 100.08,100.08 100.08,93.34 99.44,92.71 90.04,92.71 90.04,93.73 85.72,93.73 85.72,91.31 87.25,91.31 87.25,89.54 88.14,89.54 91.31,86.36 101.98,86.36 106.68,81.66 48.13,81.66 54.74,88.27 59.31,88.27 60.58,89.54 60.58,90.93 63.37,93.73 68.71,93.73 70.74,95.76 70.74,100.97 69.72,101.98 68.07,101.98 68.07,103.12 67.82,103.63 67.56,103.89 67.18,104.14 64.9,104.14 64.9,106.55 64.01,107.44 62.36,107.44 62.36,111.12 62.1,111.38 60.58,111.38 59.94,112.01 59.94,114.3 59.31,114.94 56.64,114.94 53.72,112.01 50.67,112.01 49.78,112.9 46.23,112.9 46.23,114.81 48.39,114.81 48.39,113.67 52.83,113.67 55.37,116.21 61.85,116.21 68.2,109.86 68.2,109.47 70.23,109.47 70.23,110.62 65.66,115.19 65.66,117.09 67.44,118.87 67.44,125.73 69.72,128.02 69.72,130.68 68.71,131.7 68.71,132.46 67.56,133.6 67.56,136.65 69.34,138.43 69.34,142.88 67.82,144.4 55.12,144.4 46.48,135.76 46.48,133.22 42.42,129.16 42.42,127.38 40.77,125.73 35.81,125.73 34.54,124.46 34.54,120.27 29.84,115.57 29.84,114.55 29.21,114.55 29.21,116.21 26.92,116.21 26.92,117.48 30.61,117.48 31.37,118.24 31.37,119.63 32.26,119.63 32.64,120.02 32.64,121.54 33.27,122.17 33.27,125.6 33.15,125.73 30.23,125.73 30.23,123.44 28.96,123.44 28.83,123.57 28.83,125.73 26.92,125.73 26.92,126.87 26.8,127 25.15,127 24.77,126.62 21.21,126.62 21.21,125.98 20.19,124.97 19.3,124.97 19.3,128.27 21.21,128.27 21.21,127.25 24.38,127.25 24.38,130.18 20.95,133.6
GND on Top: 104.52,7.87 100.71,7.87 100.71,10.16 101.09,10.54 101.09,12.32 98.17,12.32 98.17,7.87 62.74,7.87 62.74,9.14 71.25,9.14 71.88,9.78 73.66,9.78 74.93,11.05 76.07,11.05 77.34,9.78 86.49,9.78 87.12,10.41 89.03,10.41 90.81,12.19 96.39,12.19 97.16,12.95 104.52,12.95
GND on Top: 23.75,53.98 23.75,49.78 25.4,49.78 25.4,49.28 25.27,49.15 21.84,49.15 20.95,48.26 19.56,48.26 19.3,48.51 19.3,49.28 19.05,49.53 14.6,49.53 12.7,51.44 12.7,55.25 13.08,55.63 16,55.63 16.26,55.88 17.78,55.88 19.3,54.36 19.3,52.96 19.94,52.32 20.95,52.32 22.61,53.98
GND on Top: 62.74,7.87 98.17,7.87 98.17,12.32 101.09,12.32 101.09,10.54 100.71,10.16 100.71,7.87 104.52,7.87 104.52,9.65 106.17,11.3 110.74,11.3 112.9,9.14 112.9,1.78 113.54,1.14 135.89,1.14 135.89,52.96 135.76,53.09 134.75,53.09 132.84,54.99 132.84,64.52 131.19,66.17 131.19,86.11 132.84,87.76 132.84,99.44 135.89,99.44 135.89,131.06 132.84,134.11 132.84,143.76 131.06,145.54 131.06,165.35 132.84,167.13 132.84,176.53 134.62,178.31 136.02,178.31 136.02,190.12 130.94,190.12 127.63,193.42 127.63,198.25 98.55,198.25 98.55,187.33 100.33,187.33 100.33,159.89 101.09,159.89 102.23,161.04 106.3,161.04 106.68,161.42 111.51,161.42 111.76,161.16 111.76,159.13 111.25,159.13 110.74,158.62 110.74,155.96 112.27,155.96 112.27,153.54 112.65,153.54 117.22,158.12 120.14,158.12 120.14,155.96 119,154.94 119,153.42 120.01,152.4 121.16,152.4 121.67,152.91 121.67,156.85 122.81,157.99 122.81,159.89 125.6,159.89 125.6,156.85 126.75,156.85 126.75,155.7 127.38,155.7 127.38,143.89 130.17,143.89 130.17,137.41 131.32,136.27 131.32,126.87 133.6,126.87 133.6,119.13 126.87,119.13 126.87,122.56 124.46,125.1 124.46,125.86 118.49,125.86 118.49,121.54 119,121.03 123.32,121.03 124.46,119.89 124.46,118.87 124.21,118.62 122.3,118.62 122.3,119.13 117.86,119.13 116.59,120.4 116.33,120.4 116.2,120.27 116.2,112.9 116.33,112.78 118.75,112.78 118.75,107.7 116.84,107.7 116.84,103.25 114.94,103.25 114.68,103.51 114.68,104.27 115.32,104.9 115.32,108.97 113.28,108.97 113.28,110.74 112.01,110.74 111.25,109.98 111.25,104.65 110.87,104.65 110.87,99.19 111.63,99.19 112.52,98.3 115.7,98.3 118.87,101.47 118.87,104.27 121.67,107.06 121.67,107.95 121.79,108.08 125.09,108.08 125.09,110.87 128.02,110.87 128.02,112.01 131.06,112.01 131.06,109.47 133.1,109.47 133.1,103 127.38,103.12 127.38,105.16 122.55,105.16 120.14,102.74 120.01,100.46 116.33,96.77 114.3,96.77 114.3,86.11 115.95,86.11 115.95,81.66 47.12,81.66 45.97,82.8 34.54,82.8 31.75,80.01 28.19,80.01 27.3,80.9 26.16,80.9 26.16,79.76 26.67,79.76 27.69,78.74 35.81,78.74 36.45,78.11 36.45,75.95 34.67,74.17 34.67,69.72 35.31,69.09 39.62,69.09 41.4,67.31 41.4,64.26 40.89,63.75 37.46,63.75 37.46,61.21 38.48,61.21 41.66,58.04 41.66,55.88 47.5,55.88 48.51,56.9 49.78,56.9 51.43,55.25 56.26,55.25 56.26,57.4 79.5,57.4 80.14,56.77 80.14,55.25 75.82,50.93 75.82,50.55 80.52,50.55 81.91,51.94 81.91,54.74 82.68,55.5 84.71,55.5 84.71,63.25 86.49,63.25 92.2,57.53 92.2,56.9 92.33,56.77 95.76,56.77 95.76,50.55 92.2,50.55 92.2,44.7 93.47,43.43 93.47,42.29 92.84,41.66 89.03,41.66 85.6,38.23 79.25,38.23 79.25,33.4 79.63,33.4 79.63,31.88 78.61,31.88 74.8,31.37 71.12,31.37 70.61,31.88 70.61,35.56 68.07,35.56 66.8,36.83 59.05,36.83 57.02,34.8 57.02,31.75 57.53,31.75 57.53,34.42 59.31,36.2 66.55,36.2 67.94,34.8 67.94,30.61 68.45,30.1 72.01,30.1 73.15,28.96 75.18,28.96 75.82,29.59 78.99,29.59 80.01,30.61 88.39,30.61 89.79,32 90.93,32 91.44,31.5 91.44,30.1 90.81,29.46 83.06,29.46 83.06,26.8 82.93,26.67 79.12,26.67 77.34,24.89 76.58,24.89 75.44,26.04 74.55,26.04 74.42,25.91 74.42,25.78 72.9,25.78 72.52,25.4 71.88,25.4 71.75,25.27 71.75,24.64 72.9,24.64 73.66,25.4 74.8,25.4 75.44,24.77 76.33,24.77 76.96,24.13 78.49,24.13 80.01,25.65 81.03,25.65 81.79,24.89 81.79,18.8 82.8,17.78 84.07,17.78 84.2,17.91 84.2,19.69 88.77,19.69 88.77,15.75 90.93,15.75 90.93,17.15 89.41,17.15 89.41,19.3 89.53,19.43 91.57,19.43 91.82,19.69 99.57,19.69 99.82,19.43 99.82,18.67 100.33,18.16 104.27,18.16 104.27,16.26 100.97,12.95 97.16,12.95 96.39,12.19 90.81,12.19 89.03,10.41 87.12,10.41 86.49,9.78 77.34,9.78 76.07,11.05 74.93,11.05 73.66,9.78 71.88,9.78 71.25,9.14 62.74,9.14
GND on Top: 32.13,39.12 32.13,44.7 50.16,44.7 51.31,45.85 53.85,45.85 53.85,44.83 51.94,44.83 50.55,43.43 45.34,43.43 45.34,41.91 48.13,39.12 52.2,39.12 52.2,38.23 50.16,36.2 48.77,36.2 47.88,35.31 47.88,34.8 47.34,34.25 44.22,34.26 41.4,37.08 34.16,37.08
GND on Bottom: 114.3,1.4 135.89,1.4 135.89,28.7 134.24,30.35 134.24,34.16 135.64,35.56 135.76,35.56 135.76,53.09 135.64,53.21 134.62,53.21 132.97,54.86 132.97,64.52 131.06,66.42 131.06,85.85 132.84,87.63 132.84,99.7 135.64,99.7 135.64,109.98 135.38,110.24 102.36,110.24 102.36,94.62 95.25,86.74 95.25,57.66 104.78,48.26 104.78,37.97 105.03,37.72 113.92,28.96 124.08,28.96 129.79,23.24 133.48,23.24 134.11,22.61 134.11,20.19 133.35,19.43 128.14,19.43 124.33,23.24 123.32,23.24 123.32,21.97 107.44,21.97 105.54,20.07 105.54,16.38 104.65,15.49 103.63,15.49 103.12,14.99 103.12,10.54 103.63,10.54 105.16,12.07 112.27,12.07 113.28,11.05 113.28,2.41
GND on Bottom: 42.54,51.05 43.69,52.2 45.09,52.2 47.12,50.17 47.12,43.69 45.21,43.69 45.21,35.69 44.58,35.05 43.05,35.05 42.54,35.56
GND on Bottom: 118.87,63.12 120.14,61.85 120.14,57.4 119.63,56.9 118.24,56.9 117.73,56.39 117.73,53.59 118.24,53.09 120.52,53.09 120.52,48.64 119.51,48.64 116.08,52.07 113.54,52.07 113.16,52.45 113.16,60.33 115.95,63.12
GND on Bottom: 25.65,81.03 24.26,81.03 24,81.28 24,83.44 22.61,84.84 16.89,84.84 16.26,84.2 16.26,80.65 13.59,80.65 12.32,81.92 11.81,81.92 11.81,76.45 14.1,76.45 14.1,77.47 14.6,77.98 16,77.98 17.02,78.99 17.53,78.99 18.16,78.36 18.16,72.14 17.53,71.5 17.53,67.31 17.65,67.18 19.69,67.18 20.7,68.2 20.7,76.33 19.18,77.85 19.18,79.76 18.29,80.65 18.29,83.44 18.54,83.69 22.23,83.69 22.35,83.57 22.35,80.26 22.99,79.63 25.65,79.63
GND on Bottom: 27.56,49.15 30.73,49.15 31.88,50.29 34.29,50.29 35.69,51.69 37.59,51.69 37.85,51.44 37.85,50.04 37.21,49.4 37.21,42.8 37.85,42.16 37.85,38.74 36.32,38.74 36.32,37.21 37.59,37.21 38.86,38.48 38.86,44.2 38.48,44.58 37.97,44.58 37.97,48.26 39.5,49.78 39.5,54.86 42.42,57.79 42.42,63.88 36.96,63.88 36.96,61.85 28.7,53.59 28.7,50.42 27.56,50.42
GND on Bottom: 34.42,18.92 34.42,23.62 37.59,26.8 40.01,26.8 40.77,26.04 40.77,24.51 40.51,24.26 38.23,24.26 37.59,23.62 37.59,23.11 38.61,22.1 38.61,20.07 37.46,18.92
GND on Bottom: 71.25,101.35 80.14,101.35 80.14,108.97 77.6,111.51 74.04,111.51 71.12,108.59 71.12,101.47
GND on Bottom: 8.51,9.65 10.29,9.65 10.29,12.83 9.4,12.83 8.51,11.94
GND on Bottom: 114.43,87.38 115.06,87.38 115.7,88.01 115.7,100.46 112.27,100.46 112.27,109.22 115.06,109.22 115.06,105.16 117.6,105.16 117.6,110.87 117.47,111 111.12,111 111,111.12 111,113.67 111.63,114.3 112.78,114.3 112.78,113.92 113.03,113.67 120.14,113.67 120.14,112.78 130.3,112.78 132.21,114.68 132.21,126.11 130.3,126.11 129.03,124.84 129.03,122.94 128.52,122.43 125.98,122.43 125.48,121.92 125.48,119.13 123.82,117.48 117.6,117.48 115.06,114.94 111.25,114.94 110.24,113.92 110.24,110.24 109.98,109.98 109.98,104.39 111.51,104.39 111.51,99.06 111.89,98.68 111.89,95.12 114.43,95.12
GND on Bottom: 63.25,84.46 73.41,84.46 73.41,87.63 68.58,90.42 68.07,90.42 63.25,87.38
GND on Bottom: 122.68,120.4 118.49,120.4 118.49,126.37 120.14,126.37 120.14,129.54 116.97,129.54 116.33,130.18 116.33,134.37 115.82,134.87 111.51,134.87 111.51,135.64 112.65,136.91 113.28,138.43 113.54,139.57 113.66,140.59 113.54,142.24 112.78,144.4 113.54,144.4 118.62,139.32 118.62,137.92 123.7,137.92 123.95,138.18 123.95,146.81 124.33,147.19 124.33,151.64 125.86,153.16 125.86,164.72 129.03,164.72 129.29,164.47 129.29,143.38 130.94,141.73 130.94,131.7 129.79,131.7 129.79,131.06 129.54,131.06 127.63,132.97 123.95,132.97 120.9,129.92 120.9,122.68 122.68,122.68
GND on Bottom: 73.41,154.31 77.6,158.5 77.6,159.26 77.34,159.51 76.07,159.51 73.41,156.85 70.48,156.85 70.48,158.37 70.74,158.62 72.52,158.62 73.28,159.39 73.28,162.18 74.42,162.18 74.42,167 70.99,167 69.98,168.02 69.98,168.66 70.23,168.91 72.52,168.91 72.52,170.43 74.17,170.43 74.17,171.83 74.42,172.09 76.07,172.09 76.07,175.9 78.87,175.9 79.76,175.01 79.76,171.07 82.55,171.07 82.8,171.32 82.8,176.28 84.33,177.8 93.09,177.8 96.01,180.72 96.01,189.23 100.2,193.42 100.2,197.61 99.95,197.87 95.88,197.87 95.63,197.61 95.63,191.52 95,190.88 62.74,190.88 62.74,198.37 62.61,198.5 54.86,198.5 54.74,198.37 54.74,192.15 55.76,191.13 57.15,179.45 58.55,179.45 58.55,185.42 61.72,185.42 61.72,184.79 64.64,184.79 64.64,184.28 95.25,184.28 95.25,181.23 92.84,178.82 72.39,178.82 71.5,177.93 71.5,175.39 68.58,172.47 68.07,172.47 68.07,170.94 67.56,170.43 67.56,168.28 68.83,168.28 70.48,166.62 70.48,164.85 71.75,164.85 71.75,162.18 72.39,162.18 72.39,159.51 72.26,159.39 67.82,159.39 67.82,154.31
GND on Bottom: 4.19,8.89 6.22,10.92 6.22,12.83 8.51,15.11 8.51,19.56 4.7,23.37 4.7,26.54 8.38,30.23 8.38,33.53 3.05,38.86 1.65,38.86 1.65,33.78 3.05,32.39 3.05,22.61 7.11,18.54 7.11,15.24 3.05,11.18 3.05,8.13
GND on Bottom: 103.12,111.51 107.82,111.51 107.82,113.79 106.81,114.81 107.31,115.32 108.46,114.17 108.46,111.38 108.33,111.25 108.33,110.49 106.81,108.97 106.68,108.97 106.43,108.71 106.43,106.81 104.27,106.81 104.27,103.89 106.17,103.89 106.17,98.17 102.87,98.17 102.36,98.68 102.36,110.74
GND on Bottom: 27.3,7.75 23.75,7.75 23.75,12.57 23.24,13.08 21.21,13.08 20.7,12.57 20.7,9.78 21.34,9.78 21.34,7.49 19.05,7.49 17.4,9.14 17.4,9.65 15.11,9.65 15.11,8.89 13.46,8.89 13.46,22.48 12.19,23.75 12.19,39.5 13.84,39.5 13.84,42.67 15.37,42.67 15.37,39.75 14.73,39.75 14.73,30.35 16.64,28.45 19.18,28.45 19.18,23.24 19.69,22.73 22.35,22.73 22.35,24.38 21.72,25.02 21.72,43.18 23.49,43.18 23.49,23.88 23.88,23.5 23.88,20.57 24.64,19.81 24.64,13.84 24.89,13.59 24.89,9.78 25.53,9.14 27.3,9.14
GND on Bottom: 8,100.33 8,97.92 8.76,97.16 13.08,97.16 13.21,97.28 13.21,99.31 17.27,99.31 17.27,97.41 21.97,97.41 22.1,97.28 22.1,100.97 21.84,101.22 19.81,101.22 19.81,105.03 18.03,105.03 18.03,102.74 18.8,101.98 18.8,100.08 17.4,100.08 16.76,100.71 13.08,100.71 12.19,99.82 12.19,98.17 9.78,98.17 9.78,100.33
GND on Bottom: 86.61,122.3 91.31,122.3 91.31,117.6 93.98,117.6 93.98,118.11 97.54,118.11 97.54,112.78 94.11,112.78 93.98,112.9 93.98,116.21 91.57,116.21 91.44,116.08 91.44,108.84 89.66,107.06 88.26,107.06 85.85,109.47 85.85,121.54
GND on Bottom: 27.18,127 29.72,127 29.72,122.56 31.62,122.56 31.88,122.3 31.88,120.9 31.24,120.27 31.24,118.75 28.07,118.75 28.07,125.73 27.18,125.73
VAA on Bottom: 117.98,154.56 117.98,152.27 112.27,152.27 110.74,153.8 110.74,154.43 110.87,154.56
VAA on Bottom: 129.03,127 129.03,128.65 128.14,129.54 124.84,129.54 123.57,128.27 123.57,127.38 121.54,125.35 121.54,123.57 122.3,123.57 122.3,125.35 123.95,127
Net-(J3-Pin_1) on Bottom: 117.09,19.81 122.43,19.81 134.24,8 134.24,3.94 130.56,3.94 130.56,6.6 119.76,17.4 116.97,17.4 116.97,19.69

## Text on the board
Bottom: 8 | ASSEMBLED IN SINGAPORE | 34 | 2 | J3 | J4 | J2 | J7 | REV | CONTROL | 251- | SEAGATE TECHNOLOGY | 21020- | J1 | J6 | J5 | 5 | 6 | 4 | 3 | 1 | +
User.Drawings: This work is licensed under a Creative Commons / Attribution-ShareAlike 4.0 International License. / See https://creativecommons.org/licenses/by-sa/4.0/. | ASSY 21020 / Reverse Engineered by Tube Time | ST-251 CONTROL
Top: J1 | FAB 21020-302 | 19 | J2 | 1 | J7 | J6 | J3 | J5 | J4 | + | EC 4566
